# Altium PCB CRD25DA12N-FMC V2 (09-2024).PcbDoc (part 2 of 6) (continued)
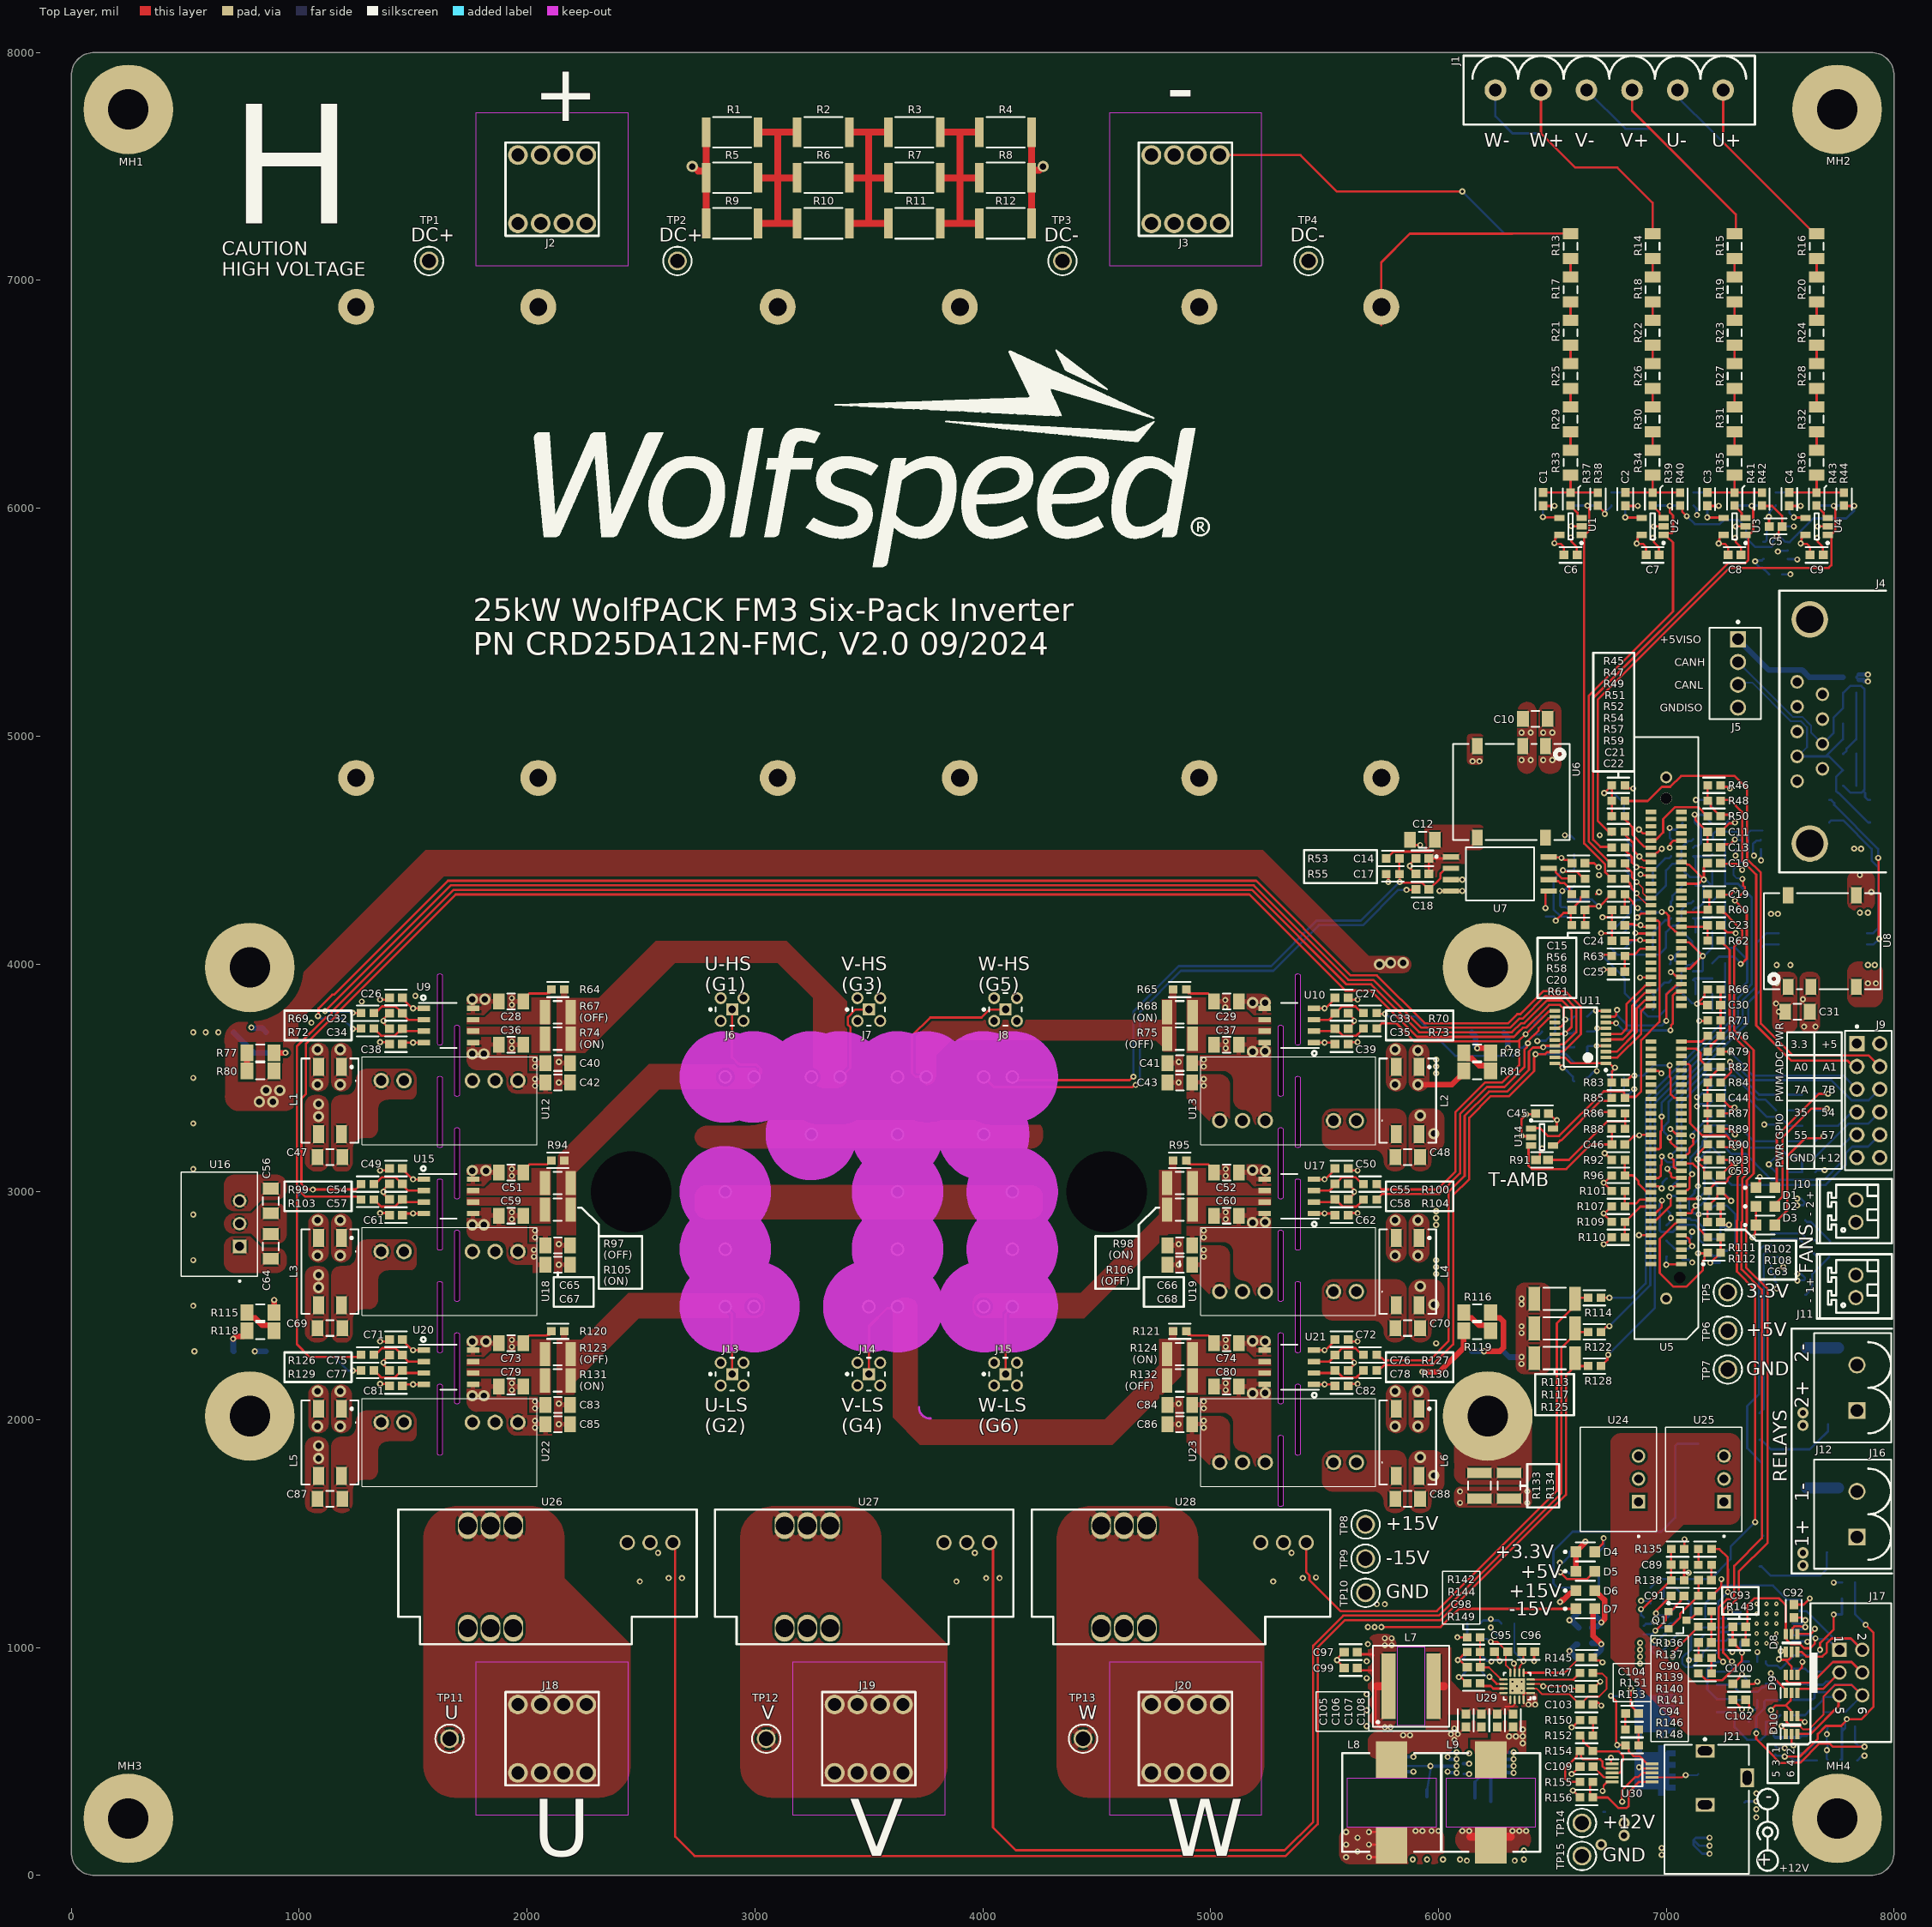
[diagram p0: Top Layer view]
## Part data (continued)
J12 J16: "TERM BLOCK HDR 2POS VERT 5.08MM", Colour=Green, Manufacturer="PHOENIX CONTACT", Package=N/A, Supplier Part Number 1=1896199, Content=250pc(s), Datasheet URL=http://www.mouser.com/ds/2/324/ItemDetail_1755736-921028.pdf, Datasheet Version=Apr-16, Industrial packaging=Yes, Manufacturer Part Number=1755736, Manufacturer URL=http://www.phoenixcontact.com/, Number of Contacts=2, Pitch=5.08mm, Supplier 1=Rs, Type=MSTBVA2,5/2-G-5,08
J17: library part CMP-1502-00000-1, "CONN HEADER VERT 6POS 2.54MM", Contact Resistance=20mOhm, Manufacturer="WURTH ELECTRONIK", Operating Temperature=-40to125degC, Package=N/A, Withstanding Voltage=500VAC, Working Voltage=250VAC, Datasheet URL=https://katalog.we-online.de/em/datasheet/6120xx21621.pdf, Gender=Male, Manufacturer Part Number=61200621621, Manufacturer URL=http://www.we-online.de, Mounting Technology=THT, Orientation=Vertical, Package Reference=61200621621, Packaging=Tray, Pin Number=6, Pitch=2.54mm, Published Date=August2018, Publisher=WurthElektronik
J21: "CONN PWR JACK 2X5.5MM SOLDER", Color=Black, Current Rating=5A, Flammability Rating="UL94 V-0", Insulation Resistance=50MR, Manufacturer="CUI DEVICES", Max Operating Temperature=85°C, Min Operating Temperature=-25°C, Package=N/A, Package Quantity=280, Voltage Rating=24V, Category=Uncategorized, ComponentLink1Description=http://www.mouser.com/ds/2/670/PJ-102AH-524179.pdf?src-supplier=Mouser, ComponentLink1URL=http://www.mouser.com/ds/2/670/PJ-102AH-524179.pdf?src-supplier=Mouser, ComponentLink2Description=https://www.cui.com/product/resource/digikeypdf/pj-102ah.pdf?src-supplier=Digi-Key, ComponentLink2URL=https://www.cui.com/product/resource/digikeypdf/pj-102ah.pdf?src-supplier=Digi-Key, ComponentLink3Description=http://www.cui.com/Product/Resource/FuturePDF/PJ-102AH.pdf?src-supplier=Future+Electronics, ComponentLink3URL=http://www.cui.com/Product/Resource/FuturePDF/PJ-102AH.pdf?src-supplier=Future+Electronics, Connector Type=Jack, Contact Gender=Male, Contact Material=Copper, Contact Plating=Nickel, Diameter=2.1mm, Gender=Male, Housing Color=Black, Housing Material=Thermoplastic, Lead Free="Lead Free", Manufacturer Part Number=PJ-102AH, Manufacturer Print="CUI DEVICES", Mount="Through Hole", Number of Conductors=2, Orientation=Horizontal, Packaging=Bulk, RoHS=Yes, RoHS Compliant=Yes, Series=-, Shielding=Unshielded, Supplier 1="Arrow Electronics", Supplier Part Number 1=PJ-102AH, Termination="Through Hole"
J22: "TERM BLOCK HDR 2POS 90DEG 2.5MM", Manufacturer="PHOENIX CONTACT", Package=N/A, Manufacturer Part Number=1808190
L1 L2 L3 L4 L5 L6: "CMC 10UH 1.6A 2LN 920 OHM SMD", Case/Package=SMD/SMT, Current=1.6A, DC Resistance (DCR)=80mR, Inductance=10uH, Manufacturer="WURTH ELECTRONIK", Manufacturer Print=WURTH, Max Operating Temperature=125°C, Min Operating Temperature=-40°C, Package=4-PC, Package Quantity=1, Supplier Part Number 1=9040408, Test Frequency=1kHz, Tolerance=30%, Voltage Rating=80V, Category="Common Mode Chokes", ComponentLink1Description=https://datasheet.ciiva.com/12378/744226s-67907-12378330.pdf?src-supplier=Mouser, ComponentLink1URL=https://datasheet.ciiva.com/12378/744226s-67907-12378330.pdf?src-supplier=Mouser, ComponentLink2Description=https://datasheet.ciiva.com/1008/744226s-1008438.pdf?src-supplier=Digi-Key, ComponentLink2URL=https://datasheet.ciiva.com/1008/744226s-1008438.pdf?src-supplier=Digi-Key, ComponentLink3Description=https://datasheet.ciiva.com/1126/1735584-1126949.pdf?src-supplier=Element14, ComponentLink3URL=https://datasheet.ciiva.com/1126/1735584-1126949.pdf?src-supplier=Element14, ComponentLink4Description=https://datasheet.ciiva.com/6868/1696373-6868167.pdf?src-supplier=Newark, ComponentLink4URL=https://datasheet.ciiva.com/6868/1696373-6868167.pdf?src-supplier=Newark, ComponentLink5Description=https://datasheet.ciiva.com/1008/744226s-1008439.pdf?src-supplier=Digi-Key, ComponentLink5URL=https://datasheet.ciiva.com/1008/744226s-1008439.pdf?src-supplier=Digi-Key, ComponentLink6Description=https://datasheet.ciiva.com/1008/744226s-1008440.pdf?src-supplier=Digi-Key, ComponentLink6URL=https://datasheet.ciiva.com/1008/744226s-1008440.pdf?src-supplier=Digi-Key, ComponentLink7Description=https://datasheet.ciiva.com/26308/744226s-eng-tds-26308764.pdf?src-supplier=Distrelec, ComponentLink7URL=https://datasheet.ciiva.com/26308/744226s-eng-tds-26308764.pdf?src-supplier=Distrelec, ComponentLink8Description=https://datasheet.ciiva.com/48691/001087362-da-01-ml-we-sl2-stromkomp-smd-line-filter-7-de-en-48691435.pdf?src-supplier=Conrad, ComponentLink8URL=https://datasheet.ciiva.com/48691/001087362-da-01-ml-we-sl2-stromkomp-smd-line-filter-7-de-en-48691435.pdf?src-supplier=Conrad, Current Rating=1.6A, Height=0.205inch, Impedance=920R, Lead Free="Lead Free", Length=9.2mm, Manufacturer Part Number=744226S, Max Current Rating=1.6A, Max DC Current=1.6A, Mount="Surface Mount", Number of Lines=2, Packaging="Tape and Reel", Pricing 1="1=2.59000, 25=2.28200, 100=2.10000, 250=1.94000, 500=1.81400 (USD)", Reach SVHC Compliant=Yes, Resistance=80mR, RoHS=Yes, RoHS Compliant=Yes, Series=WE-SL2, Stock 1=1, Supplier 1=Rs, Termination=SMD/SMT, Weight=0.017672oz, Width=6mm
L7: "FIXED IND 10UH 5.8A 20 MOHM SMD", Case/Package=N/A, Manufacturer="WURTH ELECTRONIK", Manufacturer Part Number=74439358100, Package=N/A
L8 L9: "FIXED IND 22UH 3.5A 74 MOHM SMD", Ambient Temperature Range High=85°C, Ambient Temperature Range Low=-40°C, DC Resistance (DCR)=64mΩ, Inductance=22µH, Inductance Tolerance=20%, Manufacturer="WURTH ELECTRONIK", Max Operating Temperature=125°C, Package=N/A, RMS Current (Irms)=3.5A, Saturation Current=5A, Self Resonant Frequency=7MHz, Series Resistance=74mΩ, Test Frequency=100kHz, Height=3.8mm, Length=11mm, Manufacturer Part Number=74437368220, Min Operating Temperature=-40°C, NexarPartId=57062130, RoHS=Compliant, Tolerance=20%, Width=10mm
L10: library part CMP-006-00021-3, "CMC 100UH 200MA 2LN SMD AEC-Q200", Manufacturer=MURATA, Max Operating Temperature=125°C, Min Operating Temperature=-40°C, Package=4-SMD, Manufacturer Part Number=DLW43SH101XK2L, Mounting Technology=sm, Pins=4, RoHS Compliant=Yes
MH1 MH2 MH3 MH4: "HEX STANDOFF M4 ALUMINUM 51MM F-F", Manufacturer=MCMASTER-CARR, Manufacturer Part Number=95947A552, Package=N/A, Size=M4
Q1: library part CMP-1048-00731-1, "TRANS NPN 45V 0.5A SOT23-3", Manufacturer=ONSEMI, Package=SOT-23-3, ComponentLink1Description="Manufacturer URL", ComponentLink1URL=http://www.onsemi.com/, ComponentLink2Description=Datasheet, ComponentLink2URL=http://www.onsemi.com/pub_link/Collateral/BC817-16LT1-D.PDF, ComponentLink3Description="Package Specification", ComponentLink3URL=http://www.onsemi.cn/pub_link/Collateral/318-08.PDF, DatasheetVersion="Rev. 12", fT Min (MHz)=100, IC Continuous (A)=0.5, Manufacturer Part Number=BC817-16LT3G, Mounting Technology="Surface Mount", PackageDescription="3-Pin Small Outline Transistor, Body 2.92 x 1.3 mm, Pitch 0.95 mm", PackageReference=SOT-23-3-318-08, PackageVersion="Rev. AP, 11/2009", Packing="Tape and Reel", PartNumber=BC817-16LT3G, Polarity=NPN, RoHS=TRUE
Q2: library part CCB021M12FM3, "SIC 6N-CH 1200V 30A MODULE", Manufacturer=WOLFSPEED, Mfr_Name="Cree Wolfspeed", Package=FMC, Category=MOSFETs, Copyright="Copyright (C) 2021 Ultra Librarian. All rights reserved.", Manufacturer Part Number=CCB021M12FM3T, Manufacturer Print=WOLFSPEED, Manufacturer_Part_Number=CCB021M12FM3, Pricing 1="1=248.05500, 10=245.57100, 25=243.75400, 50=241.29300, 100=238.84350, 500=236.39400 (USD)", RefDes=RefDes, RoHS=No, Stock 1=52, Supplier 1="Arrow Electronics", Supplier Part Number 1=CCB021M12FM3, Type=DEV
Q3 Q4: library part CMP-12801-000047-1, "MOSFET N-CH 60V 1.6A SOT23", Continuous Drain Current=1.6A, Drain To Source Breakdown Voltage=60V, Drain To Source Resistance=92mΩ, Gate To Source Voltage=20V, Input Capacitace At Vds="315pF @ 40V", Manufacturer="DIODES INC.", Max Forward Diode Voltage=1V, Max Junction Temp=+150°C, Package=SOT23, Power Dissipation=0.7W, Pulse Drain Current=10A, Temperature="-55°C to +150°C", Temperature Range Low=-55°C, Typ Forward Diode Voltage=0.75V, Automotive=No, Category=Trans, ComponentLink2Description=Datasheet, ComponentLink2URL=https://www.diodes.com/assets/Datasheets/DMN6140L.pdf, Depletion Mode=False, Device Class L1="Discrete Semiconductors", Device Class L2=Transistors, Device Class L3=MOSFETs, Digikey Description="MOSFET N-CH 60V 1.6A SOT23", Drain To Source Voltage=60V, Footprint Url=https://www.diodes.com/assets/Package-Files/SOT23.pdf, Gate Charge At Vgs="8.6nC @ 10V", Height=1.1mm, Lead Free=Yes, Manufacturer Part Number=DMN6140L-13, Mouser Description="MOSFET 31V to 99V N-Ch FET 60Vds 20Vgs 2.3A", Number of Channels=1, Number Of N Channels=1, Octopart=https://octopart.com/dmn6140l-13-diodes+inc.-38898616, Reverse Recovery Charge=9nC, Reverse Recovery Time=16.8ns, RoHS=TRUE, Rthja Max=183°C/W, Standoff Height=0.013mm, Temperature Range High=+150°C, Threshold Vgs Max=3V, Threshold Vgs Min=1V, Turn Off Delay Time=16.3ns, Turn On Delay Time=2.6ns
Q5 Q6: library part CMP-1046-00010-1, "TRANS NPN 80V 8A DPAK", Manufacturer=ONSEMI, Package=TO-252-3, ComponentLink1Description="Manufacturer URL", ComponentLink1URL=http://www.onsemi.com/, ComponentLink2Description=Datasheet, ComponentLink2URL=http://www.onsemi.cn/pub_link/Collateral/MJD44H11-D.PDF, ComponentLink3Description="Package Specification", ComponentLink3URL=http://www.onsemi.cn/pub_link/Collateral/369C.PDF, DatasheetVersion="Rev. 16", IC Continuous (A)=8, Manufacturer Part Number=MJD44H11T4G, Mounting Technology="Surface Mount", PackageDescription="3-Pin Flange Mount, Body 6.54 x 6.095 mm, Pitch 2.29 mm", PackageReference=DPAK-3-369C-01, PackageVersion="Rev. E, 02/2014", Packing="Tape and Reel", PartNumber=MJD44H11T4G, Polarity=NPN, RoHS=TRUE
Q7 Q8: "MOSFET N-CH 120V 90A PWRDI5060-8", Manufacturer="DIODES INC", Package=8-PowerTDFN, Supplier Part Number 1=68AH9585, Category=MOSFETs, Manufacturer Part Number=DMT12H007LPS-13, Pricing 1="1=1.79000, 10=1.60000, 25=1.49000, 50=1.37000, 100=1.25000, 250=1.14000, 500=1.03000, 1000=0.81500 (USD)", RoHS=Yes, RoHS Compliant=Yes, Stock 1=2500, Supplier 1=Newark
R1 R2 R3 R4 R5 R6 R7 R8 R9 R10 R11 R12: library part CMP-03211-002966-1, "RES 220K OHM 1% 2W 2512", Ambient Temperature Range High=+70°C, Manufacturer=TE, Package=2512, Power Rating=2W, Resistance=220kΩ, Temperature="-55°C to +155°C", Temperature Coefficient=±100ppm/°C, Temperature Range High=+155°C, Temperature Range Low=-55°C, Tolerance=0.01, Voltage Rating=500V, Automotive=No, Category=Res, ComponentLink2Description=Datasheet, ComponentLink2URL=https://www.mouser.ca/datasheet/2/418/NG_DS_9-1773463-9_A-1358566.pdf, Composition="Thick Film", Device Class L1="Passive Components", Device Class L2=Resistors, Device Class L3="Chip SMD Resistors", Height=0.65mm, Ipc Land Pattern Name=RESC635320X55, Lead Free=Yes, Manufacturer Part Number=CRGP2512F220K, Octopart=https://octopart.com/crgp2512f220k-te+connectivity-91019045, RoHS=TRUE, Series=CRGP
R13 R14 R15 R16 R17 R18 R19 R20 R21 R22 R23 R24 R25 R26 R27 R28 R29 R30 R31 R32 R33 R34 R35 R36 R157 R158 R159 R160 R161 R162 R163 R164 R165 R166 R167 R168 R169 R170 R171 R172 R173 R174 R175 R176 R177 R178 R179 R180: library part CMP-2003-04604-1, "RES 249K OHM 0.1% 1/4W 1206", Manufacturer="VISHAY DALE", Package=1206, Power=0.25W, Resistance=249kΩ, Manufacturer Part Number=TNPW1206249KBEEA
R37 R39 R41 R43 R182 R185 R188 R191: "RES 4.99K OHM 1% 1/10W 0603", Case Code (Imperial)=0603, Case Code (Metric)=1608, Manufacturer=YAGEO, Max Operating Temperature=155°C, Max Power Dissipation=0.1W, Min Operating Temperature=-55°C, Package Quantity=1, Resistance=4.99kΩ, Resistance Tolerance=1%, Resistor Type="Thick Film", Supplier Part Number 1=1995595, Temperature Coefficient=100ppm/°C, Voltage Rating=75V, Voltage Rating (DC)=50V, Category="Chip SMD Resistors", ComponentLink1Description=https://datasheet.ciiva.com/7983/443971-7983646.pdf?src-supplier=Element14, ComponentLink1URL=https://datasheet.ciiva.com/7983/443971-7983646.pdf?src-supplier=Element14, ComponentLink2Description=https://datasheet.ciiva.com/22747/443971-22747529.pdf?src-supplier=Element14, ComponentLink2URL=https://datasheet.ciiva.com/22747/443971-22747529.pdf?src-supplier=Element14, ComponentLink3Description=https://datasheet.ciiva.com/2453/pyu-r-int-thick-7-2453980.pdf?src-supplier=Digi-Key, ComponentLink3URL=https://datasheet.ciiva.com/2453/pyu-r-int-thick-7-2453980.pdf?src-supplier=Digi-Key, ComponentLink4Description=https://datasheet.ciiva.com/2453/pyu-r-int-thick-7-2453981.pdf?src-supplier=Digi-Key, ComponentLink4URL=https://datasheet.ciiva.com/2453/pyu-r-int-thick-7-2453981.pdf?src-supplier=Digi-Key, ComponentLink5Description=https://datasheet.ciiva.com/2453/pyu-r-int-thick-7-2453979.pdf?src-supplier=Digi-Key, ComponentLink5URL=https://datasheet.ciiva.com/2453/pyu-r-int-thick-7-2453979.pdf?src-supplier=Digi-Key, Construction=Rectangular, Depth=0.8mm, Features="Moisture Resistant", Height=0.45mm, Lead Free="Lead Free", Length=1.6mm, Manufacturer Part Number=RC0603FR-074K99L, Military Standard=Not, Number of Pins=2, Number of Terminations=2, Package=0603, Packaging="Tape and Reel", Power Rating=0.1W, RoHS=Yes, RoHS Compliant=Yes, Series=RC, Size Code=0603, Stock 1=3700, Supplier 1=Rs, Termination=SMD/SMT, Tolerance=1%, Weight=7.1E-05oz, Width=0.8mm
R38 R190: "RES SMD 3.74K OHM 0.1% 1/5W 0603", Case Code (Imperial)=0603, Case Code (Metric)=1608, Manufacturer=PANASONIC, Max Operating Temperature=155°C, Max Power Dissipation=0.2W, Min Operating Temperature=-55°C, Resistance=3.74kΩ, Resistor Type="Thick Film", Temperature Coefficient=50ppm/°C, Tolerance=0.1%, Category="Chip SMD Resistors", ComponentLink1Description=https://industrial.panasonic.com/sa/system/files/data/download/catalog/id_fixed-resistors_e_2.pdf?src-supplier=Digi-Key, ComponentLink1URL=https://industrial.panasonic.com/sa/system/files/data/download/catalog/id_fixed-resistors_e_2.pdf?src-supplier=Digi-Key, Features="Automotive AEC-Q200", Height - Seated (Max)=0.022inch, Length=0.063inch, Manufacturer Part Number=ERJ-PB3B3741V, Number of Terminations=2, Package=0603, Packaging="Tape and Reel", Pricing 1="1=0.04530, 10=0.01990, 100=0.01980 (USD)", RoHS=Yes, Stock 1=1328, Supplier 1="Arrow Electronics", Supplier Part Number 1=ERJ-PB3B3741V, Width=0.032inch
R40 R42 R44 R251 R256 R260 R263: "RES SMD 4.7K OHM 1% 1/10W 0603", Case Code (Imperial)=0603, Case Code (Metric)=1608, Manufacturer="VISHAY DALE", Max Operating Temperature=155°C, Max Power Dissipation=100mW, Min Operating Temperature=-55°C, Package Quantity=5000, Power Rating=0.1W, Resistance=4.7kΩ, Resistor Type="Thick Film", Supplier Part Number 1=541-3004-6-ND, Temperature Coefficient=100ppm/°C, Tolerance=1%, Voltage Rating=75V, Category="Chip SMD Resistors", ComponentLink1Description=https://datasheet.ciiva.com/9071/dcrcw-9071351.pdf?src-supplier=Avnet, ComponentLink1URL=https://datasheet.ciiva.com/9071/dcrcw-9071351.pdf?src-supplier=Avnet, ComponentLink2Description=https://datasheet.ciiva.com/2565/dcrcw-2565426.pdf?src-supplier=Digi-Key, ComponentLink2URL=https://datasheet.ciiva.com/2565/dcrcw-2565426.pdf?src-supplier=Digi-Key, Construction=Rectangular, Contact Plating=Tin,Lead, Depth=0.85mm, Features="Automotive AEC-Q200", Height=0.02inch, Lead Free="Contains Lead", Length=1.55mm, Manufacturer Part Number=CRCW06034K70FKTA, Military Standard=Not, Number of Terminations=2, Package=0603, Packaging="Tape and Reel", Power Dissipation=100mW, Pricing 1="1=0.15000, 10=0.12900, 100=0.05040, 1000=0.02111, 2500=0.01936 (USD)", Radiation Hardening=No, RoHS=No, RoHS Compliant=No, Series=CRCW, Supplier 1=Digi-Key, Voltage Rating (DC)=75V, Weight=7.1E-05oz, Width=0.033inch
R45 R46 R64 R65 R66 R71 R87 R89 R90 R93 R94 R95 R102 R108 R120 R121 R135 R138 R139 R141 R197 R198 R220 R223 R228 R235 R236 R252 R258 R261 R266 R270 R272: "RES SMD 10K OHM 1% 1/10W 0603", Case Code (Imperial)=0603, Case Code (Metric)=1608, Manufacturer=PANASONIC, Manufacturer Part Number=ERJ-3EKF1002V, Max Operating Temperature=155°C, Max Power Dissipation=0.1W, Min Operating Temperature=-55°C, Package Quantity=1, Power Rating=100mW, Resistance=10kΩ, Resistance Tolerance=1%, Resistor Type="Thick Film", Supplier Part Number 1=1051156, Temperature Coefficient=100ppm/°C, Voltage Rating=75V, Category="Chip SMD Resistors", ComponentLink1Description=https://datasheet.ciiva.com/7830/aoa0000ce2-7830729.pdf?src-supplier=Element14, ComponentLink1URL=https://datasheet.ciiva.com/7830/aoa0000ce2-7830729.pdf?src-supplier=Element14, ComponentLink2Description=https://datasheet.ciiva.com/46372/1678782-46372725.pdf?src-supplier=Element14, ComponentLink2URL=https://datasheet.ciiva.com/46372/1678782-46372725.pdf?src-supplier=Element14, ComponentLink3Description=https://datasheet.ciiva.com/28514/426256-28514198.pdf?src-supplier=Element14, ComponentLink3URL=https://datasheet.ciiva.com/28514/426256-28514198.pdf?src-supplier=Element14, ComponentLink4Description=https://datasheet.ciiva.com/24070/aoa0000ce2-24070318.pdf?src-supplier=Mouser, ComponentLink4URL=https://datasheet.ciiva.com/24070/aoa0000ce2-24070318.pdf?src-supplier=Mouser, ComponentLink5Description=https://datasheet.ciiva.com/16759/70260748-16759807.pdf?src-supplier=Allied+Electronics, ComponentLink5URL=https://datasheet.ciiva.com/16759/70260748-16759807.pdf?src-supplier=Allied+Electronics, ComponentLink6Description=https://datasheet.ciiva.com/9194/aoa0000ce2-9194199.pdf?src-supplier=Avnet, ComponentLink6URL=https://datasheet.ciiva.com/9194/aoa0000ce2-9194199.pdf?src-supplier=Avnet, ComponentLink7Description=https://datasheet.ciiva.com/48530/aoa0000ce2-48530988.pdf?src-supplier=Avnet, ComponentLink7URL=https://datasheet.ciiva.com/48530/aoa0000ce2-48530988.pdf?src-supplier=Avnet, ComponentLink8Description=https://datasheet.ciiva.com/30208/aoa0000ce2-30208985.pdf?src-supplier=Onlinecomponents.com, ComponentLink8URL=https://datasheet.ciiva.com/30208/aoa0000ce2-30208985.pdf?src-supplier=Onlinecomponents.com, Construction=Rectangular, Contact Plating=Tin, Depth=0.8mm, Features="Automotive AEC-Q200", Height=0.45mm, Lead Free="Lead Free", Length=1.6mm, Military Standard=Not, Mount="Surface Mount", Number of Pins=2, Number of Terminations=2, Package=0603, Packaging="Tape and Reel", Radiation Hardening=No, Reach SVHC Compliant=Yes, RoHS=Yes, RoHS Compliant=Yes, Series=ERJ, Size Code=0603, Stock 1=10000, Supplier 1=Rs, Technology="THICK FILM", Termination=SMD/SMT, Tolerance=1%, Voltage Rating (DC)=75V, Width=0.8mm
R47 R48 R49 R50 R76 R79 R82 R84 R85 R183 R186 R189 R192 R226 R227 R229 R232 R233 R234 R237 R238: "RES SMD 0 OHM JUMPER 1/10W 0603", Case Code (Imperial)=0603, Case Code (Metric)=1608, Manufacturer="VISHAY DALE", Manufacturer Part Number=CRCW06030000Z0EBC, Max Operating Temperature=155°C, Max Power Dissipation=100mW, Min Operating Temperature=-55°C, Package Quantity=10000, Ratings=AEC-Q200, Resistance=0Ω, Resistor Type="Thick Film", Supplier Part Number 1=48P7902, Temperature Coefficient=100ppm/°C, Tolerance=1%, Voltage Rating=75V, Category="Chip SMD Resistors", ComponentLink1Description=https://datasheet.ciiva.com/11808/0900766b80d98afc-11808678.pdf?src-supplier=Rs, ComponentLink1URL=https://datasheet.ciiva.com/11808/0900766b80d98afc-11808678.pdf?src-supplier=Rs, ComponentLink2Description=https://datasheet.ciiva.com/2563/dcrcwe3-2563949.pdf?src-supplier=Digi-Key, ComponentLink2URL=https://datasheet.ciiva.com/2563/dcrcwe3-2563949.pdf?src-supplier=Digi-Key, ComponentLink3Description=https://datasheet.ciiva.com/5550/dcrcwe3-109170-5550748.pdf?src-supplier=Mouser, ComponentLink3URL=https://datasheet.ciiva.com/5550/dcrcwe3-109170-5550748.pdf?src-supplier=Mouser, ComponentLink4Description=https://datasheet.ciiva.com/16430/dcrcwe3-16430060.pdf?src-supplier=Future+Electronics, ComponentLink4URL=https://datasheet.ciiva.com/16430/dcrcwe3-16430060.pdf?src-supplier=Future+Electronics, ComponentLink5Description=https://datasheet.ciiva.com/7791/dcrcwe3-7791992.pdf?src-supplier=Element14, ComponentLink5URL=https://datasheet.ciiva.com/7791/dcrcwe3-7791992.pdf?src-supplier=Element14, Construction=Rectangular, Contact Plating=Tin, Depth=0.85mm, Features="Automotive AEC-Q200", Height=0.45mm, Lead Free="Lead Free", Length=1.55mm, Military Standard=Not, Number of Pins=2, Number of Terminations=2, Package=0603, Packaging="Tape and Reel", Pricing 1="1=0.00300, 10000=0.00300 (USD)", Radiation Hardening=No, RoHS=Yes, RoHS Compliant=Yes, Series=CRCW, Size Code=0603, Stock 1=110000, Supplier 1=Newark, Technology="THICK FILM", Termination=SMD/SMT, Voltage Rating (DC)=75V, Weight=7.1E-05oz, Width=0.033inch
R51 R52 R54 R57 R59 R63 R69 R70 R72 R73 R83 R99 R100 R103 R104 R126 R127 R129 R130 R206 R209 R241 R242: "RES SMD 49.9 OHM 1% 1/10W 0603", Case Code (Imperial)=0603, Case Code (Metric)=1608, Manufacturer=PANASONIC, Max Operating Temperature=155°C, Max Power Dissipation=100mW, Min Operating Temperature=-55°C, Package Quantity=5000, Power Rating=0.1W, Resistance=49.9Ω, Resistance Tolerance=1%, Resistor Type="Thick Film", Supplier Part Number 1=12AC1058, Temperature Coefficient=100ppm/°C, Voltage Rating=75V, Voltage Rating (DC)=50V, Working Voltage=6V, Category="Chip SMD Resistors", ComponentLink1Description=https://datasheet.ciiva.com/46388/1678782-46388908.pdf?src-supplier=Element14, ComponentLink1URL=https://datasheet.ciiva.com/46388/1678782-46388908.pdf?src-supplier=Element14, ComponentLink2Description=https://datasheet.ciiva.com/28694/1678782-28694219.pdf?src-supplier=Element14, ComponentLink2URL=https://datasheet.ciiva.com/28694/1678782-28694219.pdf?src-supplier=Element14, ComponentLink3Description=https://datasheet.ciiva.com/16772/70260748-16772570.pdf?src-supplier=Allied+Electronics, ComponentLink3URL=https://datasheet.ciiva.com/16772/70260748-16772570.pdf?src-supplier=Allied+Electronics, ComponentLink4Description=https://datasheet.ciiva.com/16766/70260748-16766262.pdf?src-supplier=Allied+Electronics, ComponentLink4URL=https://datasheet.ciiva.com/16766/70260748-16766262.pdf?src-supplier=Allied+Electronics, ComponentLink5Description=https://datasheet.ciiva.com/9117/aoa0000ce2-9117128.pdf?src-supplier=Avnet, ComponentLink5URL=https://datasheet.ciiva.com/9117/aoa0000ce2-9117128.pdf?src-supplier=Avnet, ComponentLink6Description=https://datasheet.ciiva.com/48531/aoa0000ce2-48531019.pdf?src-supplier=Avnet, ComponentLink6URL=https://datasheet.ciiva.com/48531/aoa0000ce2-48531019.pdf?src-supplier=Avnet, ComponentLink7Description=https://datasheet.ciiva.com/30095/aoa0000ce2-30095355.pdf?src-supplier=Onlinecomponents.com, ComponentLink7URL=https://datasheet.ciiva.com/30095/aoa0000ce2-30095355.pdf?src-supplier=Onlinecomponents.com, Construction=Rectangular, Contact Plating=Tin, Depth=0.8mm, Features="Automotive AEC-Q200", Height=0.022inch, Lead Free="Lead Free", Length=1.6mm, Manufacturer Part Number=ERJ-3EKF49R9V, Military Standard=Not, Mount="Surface Mount", Number of Terminations=2, Package=0603, Packaging="Tape and Reel", Pricing 1="1=0.00600, 5000=0.00600 (USD)", Radiation Hardening=No, Reach SVHC Compliant=Yes, RoHS=Yes, RoHS Compliant=Yes, Series=ERJ, Stock 1=670000, Supplier 1=Newark, Technology="THICK FILM", Termination=SMD/SMT, Tolerance=1%, Width=0.8mm
R53: "RES 2.2K OHM 1% 1/10W 0603", Manufacturer=YAGEO, Package=0603, Power=0.1W, Manufacturer Part Number=RC0603FR-072K2L
R55 R181 R184 R187: "RES SMD 1.8K OHM 0.1% 1/5W 0603", Case Code (Imperial)=0603, Case Code (Metric)=1608, Manufacturer=PANASONIC, Max Operating Temperature=155°C, Max Power Dissipation=0.2W, Min Operating Temperature=-55°C, Resistance=1.8kΩ, Resistor Type="Thick Film", Temperature Coefficient=50ppm/°C, Tolerance=0.1%, Category="Chip SMD Resistors", ComponentLink1Description=https://industrial.panasonic.com/sa/system/files/data/download/catalog/id_fixed-resistors_e_2.pdf?src-supplier=Digi-Key, ComponentLink1URL=https://industrial.panasonic.com/sa/system/files/data/download/catalog/id_fixed-resistors_e_2.pdf?src-supplier=Digi-Key, Features="Automotive AEC-Q200", Height - Seated (Max)=0.022inch, Length=0.063inch, Manufacturer Part Number=ERJ-PB3B1801V, Number of Terminations=2, Package=0603, Packaging="Tape and Reel", Pricing 1="1=0.24860, 10=0.21250, 25=0.15580, 100=0.08750, 250=0.07800, 500=0.04680, 1000=0.02760, 3000=0.02730, 6000=0.02700 (USD)", RoHS=Yes, Stock 1=7475, Supplier 1="Arrow Electronics", Supplier Part Number 1=ERJ-PB3B1801V, Width=0.032inch
R56 R58 R61: "RES SMD 4.02KOHM 0.1% 1/10W 0603", Case Code (Imperial)=0603, Case Code (Metric)=1608, Manufacturer=PANASONIC, Manufacturer Part Number=ERA-3AEB4021V, Max Operating Temperature=155°C, Max Power Dissipation=100mW, Min Operating Temperature=-55°C, Package Quantity=1, Resistance=4.02kΩ, Resistance Tolerance=0.1%, Resistor Type="Thin Film", Supplier Part Number 1=7087616, Temperature Coefficient=25ppm/°C, Voltage Rating=75V, Category="Chip SMD Resistors", ComponentLink1Description=https://datasheet.ciiva.com/29183/452377-da-01-en-widerstand-0603-era-29183994.pdf?src-supplier=Conrad, ComponentLink1URL=https://datasheet.ciiva.com/29183/452377-da-01-en-widerstand-0603-era-29183994.pdf?src-supplier=Conrad, ComponentLink2Description=https://datasheet.ciiva.com/5968/485442-5968885.pdf?src-supplier=Farnell, ComponentLink2URL=https://datasheet.ciiva.com/5968/485442-5968885.pdf?src-supplier=Farnell, ComponentLink3Description=https://datasheet.ciiva.com/5968/485442-5968886.pdf?src-supplier=Farnell, ComponentLink3URL=https://datasheet.ciiva.com/5968/485442-5968886.pdf?src-supplier=Farnell, ComponentLink4Description=https://datasheet.ciiva.com/43457/485442-43457053.pdf?src-supplier=Farnell, ComponentLink4URL=https://datasheet.ciiva.com/43457/485442-43457053.pdf?src-supplier=Farnell, ComponentLink5Description=https://datasheet.ciiva.com/46388/485442-46388217.pdf?src-supplier=Element14, ComponentLink5URL=https://datasheet.ciiva.com/46388/485442-46388217.pdf?src-supplier=Element14, Construction=Rectangular, Contact Plating=Tin, Depth=0.8mm, Features="Automotive AEC-Q200", Height=0.45mm, Lead Free="Lead Free", Length=1.6mm, Military Standard=Not, Mount="Surface Mount", Number of Pins=2, Number of Terminations=2, Package=0603, Packaging="Tape and Reel", Radiation Hardening=No, Reach SVHC Compliant=Yes, RoHS=Yes, RoHS Compliant=Yes, Series=ERA-3A, Stock 1=890, Supplier 1=Rs, Technology="METAL FILM", Termination=SMD/SMT, Tolerance=0.1%, Voltage Rating (DC)=75V, Width=0.8mm
R60 R62 R114 R122 R128 R151 R255: "RES SMD 2K OHM 0.5% 1/10W 0603", Case Code (Imperial)=0603, Case Code (Metric)=1608, Manufacturer=YAGEO, Max Operating Temperature=125°C, Max Power Dissipation=100mW, Min Operating Temperature=-55°C, Package Quantity=5000, Power Rating=0.1W, Resistance=2kΩ, Resistor Type="Thin Film", Supplier Part Number 1=6165116, Temperature Coefficient=50ppm/°C, Tolerance=0.5%, Voltage Rating=75V, Voltage Rating (DC)=50V, Category="Chip SMD Resistors", ComponentLink1Description=https://datasheet.ciiva.com/2566/pyu-rt-1-to-0-05-rohs-l-5-2566187.pdf?src-supplier=Digi-Key, ComponentLink1URL=https://datasheet.ciiva.com/2566/pyu-rt-1-to-0-05-rohs-l-5-2566187.pdf?src-supplier=Digi-Key, ComponentLink2Description=https://datasheet.ciiva.com/12705/pyu-rt-1-to-0-05-rohs-l-4-12705391.pdf?src-supplier=Mouser, ComponentLink2URL=https://datasheet.ciiva.com/12705/pyu-rt-1-to-0-05-rohs-l-4-12705391.pdf?src-supplier=Mouser, Construction=Rectangular, Contact Plating=Tin,Matte, Depth=0.8mm, Features="Moisture Resistant", Height=0.022inch, Lead Free="Lead Free", Length=0.063inch, Manufacturer Part Number=RT0603DRE072KL, Military Standard=Not, Number of Terminations=2, Package=0603, Packaging="Tape and Reel", Pricing 1="5000=0.00650, 20000=0.00620, 75000=0.00590, 125000=0.00580, 250000=0.00550 (USD)", Radiation Hardening=No, RoHS=Yes, RoHS Compliant=Yes, Series=RT, Stock 1=5000, Supplier 1="Future Electronics", Termination=SMD/SMT, Width=0.031inch
R67 R75 R97 R106 R123 R132 R133 R134: "RES SMD 0 OHM JUMPER 3/4W 1210", Case Code (Imperial)=1210, Case Code (Metric)=3225, Manufacturer="VISHAY DALE", Max Operating Temperature=155°C, Max Power Dissipation=750mW, Min Operating Temperature=-55°C, Package Quantity=10, Power Rating=0.75W, Resistance=0Ω, Supplier Part Number 1=71-CRCW12100000Z0EAH, Category="Chip SMD Resistors", ComponentLink1Description=https://datasheet.ciiva.com/2477/crcwhpe3-2477993.pdf?src-supplier=Digi-Key, ComponentLink1URL=https://datasheet.ciiva.com/2477/crcwhpe3-2477993.pdf?src-supplier=Digi-Key, ComponentLink2Description=https://datasheet.ciiva.com/2477/crcwhpe3-2477991.pdf?src-supplier=Digi-Key, ComponentLink2URL=https://datasheet.ciiva.com/2477/crcwhpe3-2477991.pdf?src-supplier=Digi-Key, ComponentLink3Description=https://datasheet.ciiva.com/2477/crcwhpe3-2477992.pdf?src-supplier=Digi-Key, ComponentLink3URL=https://datasheet.ciiva.com/2477/crcwhpe3-2477992.pdf?src-supplier=Digi-Key, ComponentLink4Description=https://datasheet.ciiva.com/9109/crcwhpe3-9109997.pdf?src-supplier=Avnet, ComponentLink4URL=https://datasheet.ciiva.com/9109/crcwhpe3-9109997.pdf?src-supplier=Avnet, ComponentLink5Description=https://datasheet.ciiva.com/48527/crcwhpe3-48527662.pdf?src-supplier=Avnet, ComponentLink5URL=https://datasheet.ciiva.com/48527/crcwhpe3-48527662.pdf?src-supplier=Avnet, Features="Automotive AEC-Q200", Height=0.028inch, Lead Free="Lead Free", Length=0.126inch, Manufacturer Part Number=CRCW12100000Z0EAHP, Number of Terminations=2, Package=1210, Packaging="Tape and Reel", Pricing 1="1=0.7, 10=0.535, 50=0.535, 100=0.225, 1000=0.135, 10000=0.134 (USD)", Radiation Hardening=No, RoHS=Yes, RoHS Compliant=Yes, Series=CRCW-HP, Stock 1=904, Supplier 1=Mouser, Termination=SMD/SMT, Weight=0.000564oz, Width=0.098inch
R68 R74 R98 R105 R124 R131: library part CMP-2005-02198-1, "RES 0.91 OHM 1% 1W 1210", Manufacturer="VISHAY DALE", Package=1210, Power=1W, Manufacturer Part Number=RCWE1210R910FKEA, Part Number=RCWE1210R910FKEA
R77 R78 R80 R81 R115 R116 R118 R119 R243 R244 R245 R246 R248: "RES 249 OHM 1% 1/4W 1206", Case Code (Imperial)=1206, Case Code (Metric)=3216, Manufacturer=YAGEO, Max Operating Temperature=155°C, Max Power Dissipation=250mW, Min Operating Temperature=-55°C, Power Rating=0.25W, Resistance=249Ω, Resistor Type="Thick Film", Supplier Part Number 1=1142064, Temperature Coefficient=100ppm/°C, Tolerance=1%, Voltage Rating=200V, Category="Chip SMD Resistors", ComponentLink1Description=https://datasheet.ciiva.com/16747/pyu-rc1206-51-rohs-l-4-16747103.pdf?src-supplier=Future+Electronics, ComponentLink1URL=https://datasheet.ciiva.com/16747/pyu-rc1206-51-rohs-l-4-16747103.pdf?src-supplier=Future+Electronics, Construction=Rectangular, Depth=1.6mm, Features="Moisture Resistant", Lead Free="Lead Free", Length=3.1mm, Manufacturer Part Number=RC1206FR-07249RL, Military Standard=Not, Number of Terminations=2, Package=1206, Packaging="Tape and Reel", Pricing 1="5000=0.00430, 25000=0.00410, 100000=0.00390, 250000=0.00370, 625000=0.00350 (USD)", RoHS=Yes, RoHS Compliant=Yes, Series=RC, Size Code=1206, Stock 1=560000, Supplier 1="Future Electronics", Termination=SMD/SMT, Voltage Rating (DC)=200V
R86 R142: "RES 5.49K OHM 1% 1/10W 0603", Case Code (Imperial)=0603, Case Code (Metric)=1608, Manufacturer=YAGEO, Max Operating Temperature=155°C, Max Power Dissipation=100mW, Min Operating Temperature=-55°C, Package Quantity=5000, Power Rating=0.1W, Resistance=5.49kΩ, Supplier Part Number 1=1172345, Temperature Coefficient=100ppm/°C, Tolerance=1%, Voltage Rating=50V, Case/Package=0603, Category="Chip SMD Resistors", ComponentLink1Description=https://datasheet.ciiva.com/2454/pyu-r-int-thick-7-2454378.pdf?src-supplier=Digikey, ComponentLink1URL=https://datasheet.ciiva.com/2454/pyu-r-int-thick-7-2454378.pdf?src-supplier=Digikey, ComponentLink2Description=https://datasheet.ciiva.com/2454/pyu-r-int-thick-7-2454379.pdf?src-supplier=Digikey, ComponentLink2URL=https://datasheet.ciiva.com/2454/pyu-r-int-thick-7-2454379.pdf?src-supplier=Digikey, ComponentLink3Description=https://datasheet.ciiva.com/2454/pyu-r-int-thick-7-2454380.pdf?src-supplier=Digikey, ComponentLink3URL=https://datasheet.ciiva.com/2454/pyu-r-int-thick-7-2454380.pdf?src-supplier=Digikey, ComponentLink4Description=https://datasheet.ciiva.com/12558/rc0603-272842-12558872.pdf?src-supplier=Mouser, ComponentLink4URL=https://datasheet.ciiva.com/12558/rc0603-272842-12558872.pdf?src-supplier=Mouser, Features="Moisture Resistant", Height=0.45mm, Lead Free=5697LeadFree, Length=1.6mm, Manufacturer Part Number=RC0603FR-075K49L, Number of Terminations=2, Package=0603, Packaging="Tape and Reel", Pricing 1="5000=0.0015, 50000=0.0014, 150000=0.0014, 375000=0.0013, 1000000=0.0012 (USD)", RoHS=Yes, RoHS Compliant=Yes, Series=RC, Size Code=0603, Stock 1=1425000, Supplier 1="Future Electronics", Termination=SMD/SMT, Voltage Rating (DC)=50V, Width=0.8mm
R88 R221 R222 R224 R225 R230 R231: "RES 330 OHM 1% 1/10W 0603", Case Code (Imperial)=0603, Case Code (Metric)=1608, Manufacturer=YAGEO, Max Operating Temperature=155°C, Min Operating Temperature=-55°C, Power Rating=0.1W, Resistance=330Ω, Resistor Type="Thick Film", Supplier Part Number 1=4067719, Temperature Coefficient=100ppm/°C, Tolerance=1%, Voltage Rating=50V, Category="Chip SMD Resistors", ComponentLink1Description=https://datasheet.ciiva.com/12561/rc0603-272842-12561430.pdf?src-supplier=Mouser, ComponentLink1URL=https://datasheet.ciiva.com/12561/rc0603-272842-12561430.pdf?src-supplier=Mouser, Construction=Rectangular, Depth=0.8mm, Height=0.45mm, Length=1.6mm, Manufacturer Part Number=RC0603FR-13330RL, Military Standard=Not, Package=0603, Packaging="Tape and Reel", Pricing 1="20000=0.00130, 80000=0.00120, 400000=0.00120, 800000=0.00110, 2500000=0.00110 (USD)", RoHS=Yes, RoHS Compliant=Yes, Series=RC, Stock 1=560000, Supplier 1="Future Electronics", Termination=SMD/SMT, Width=0.8mm